# KiCad board Wireless Video Glass.kicad_pcb (continued)
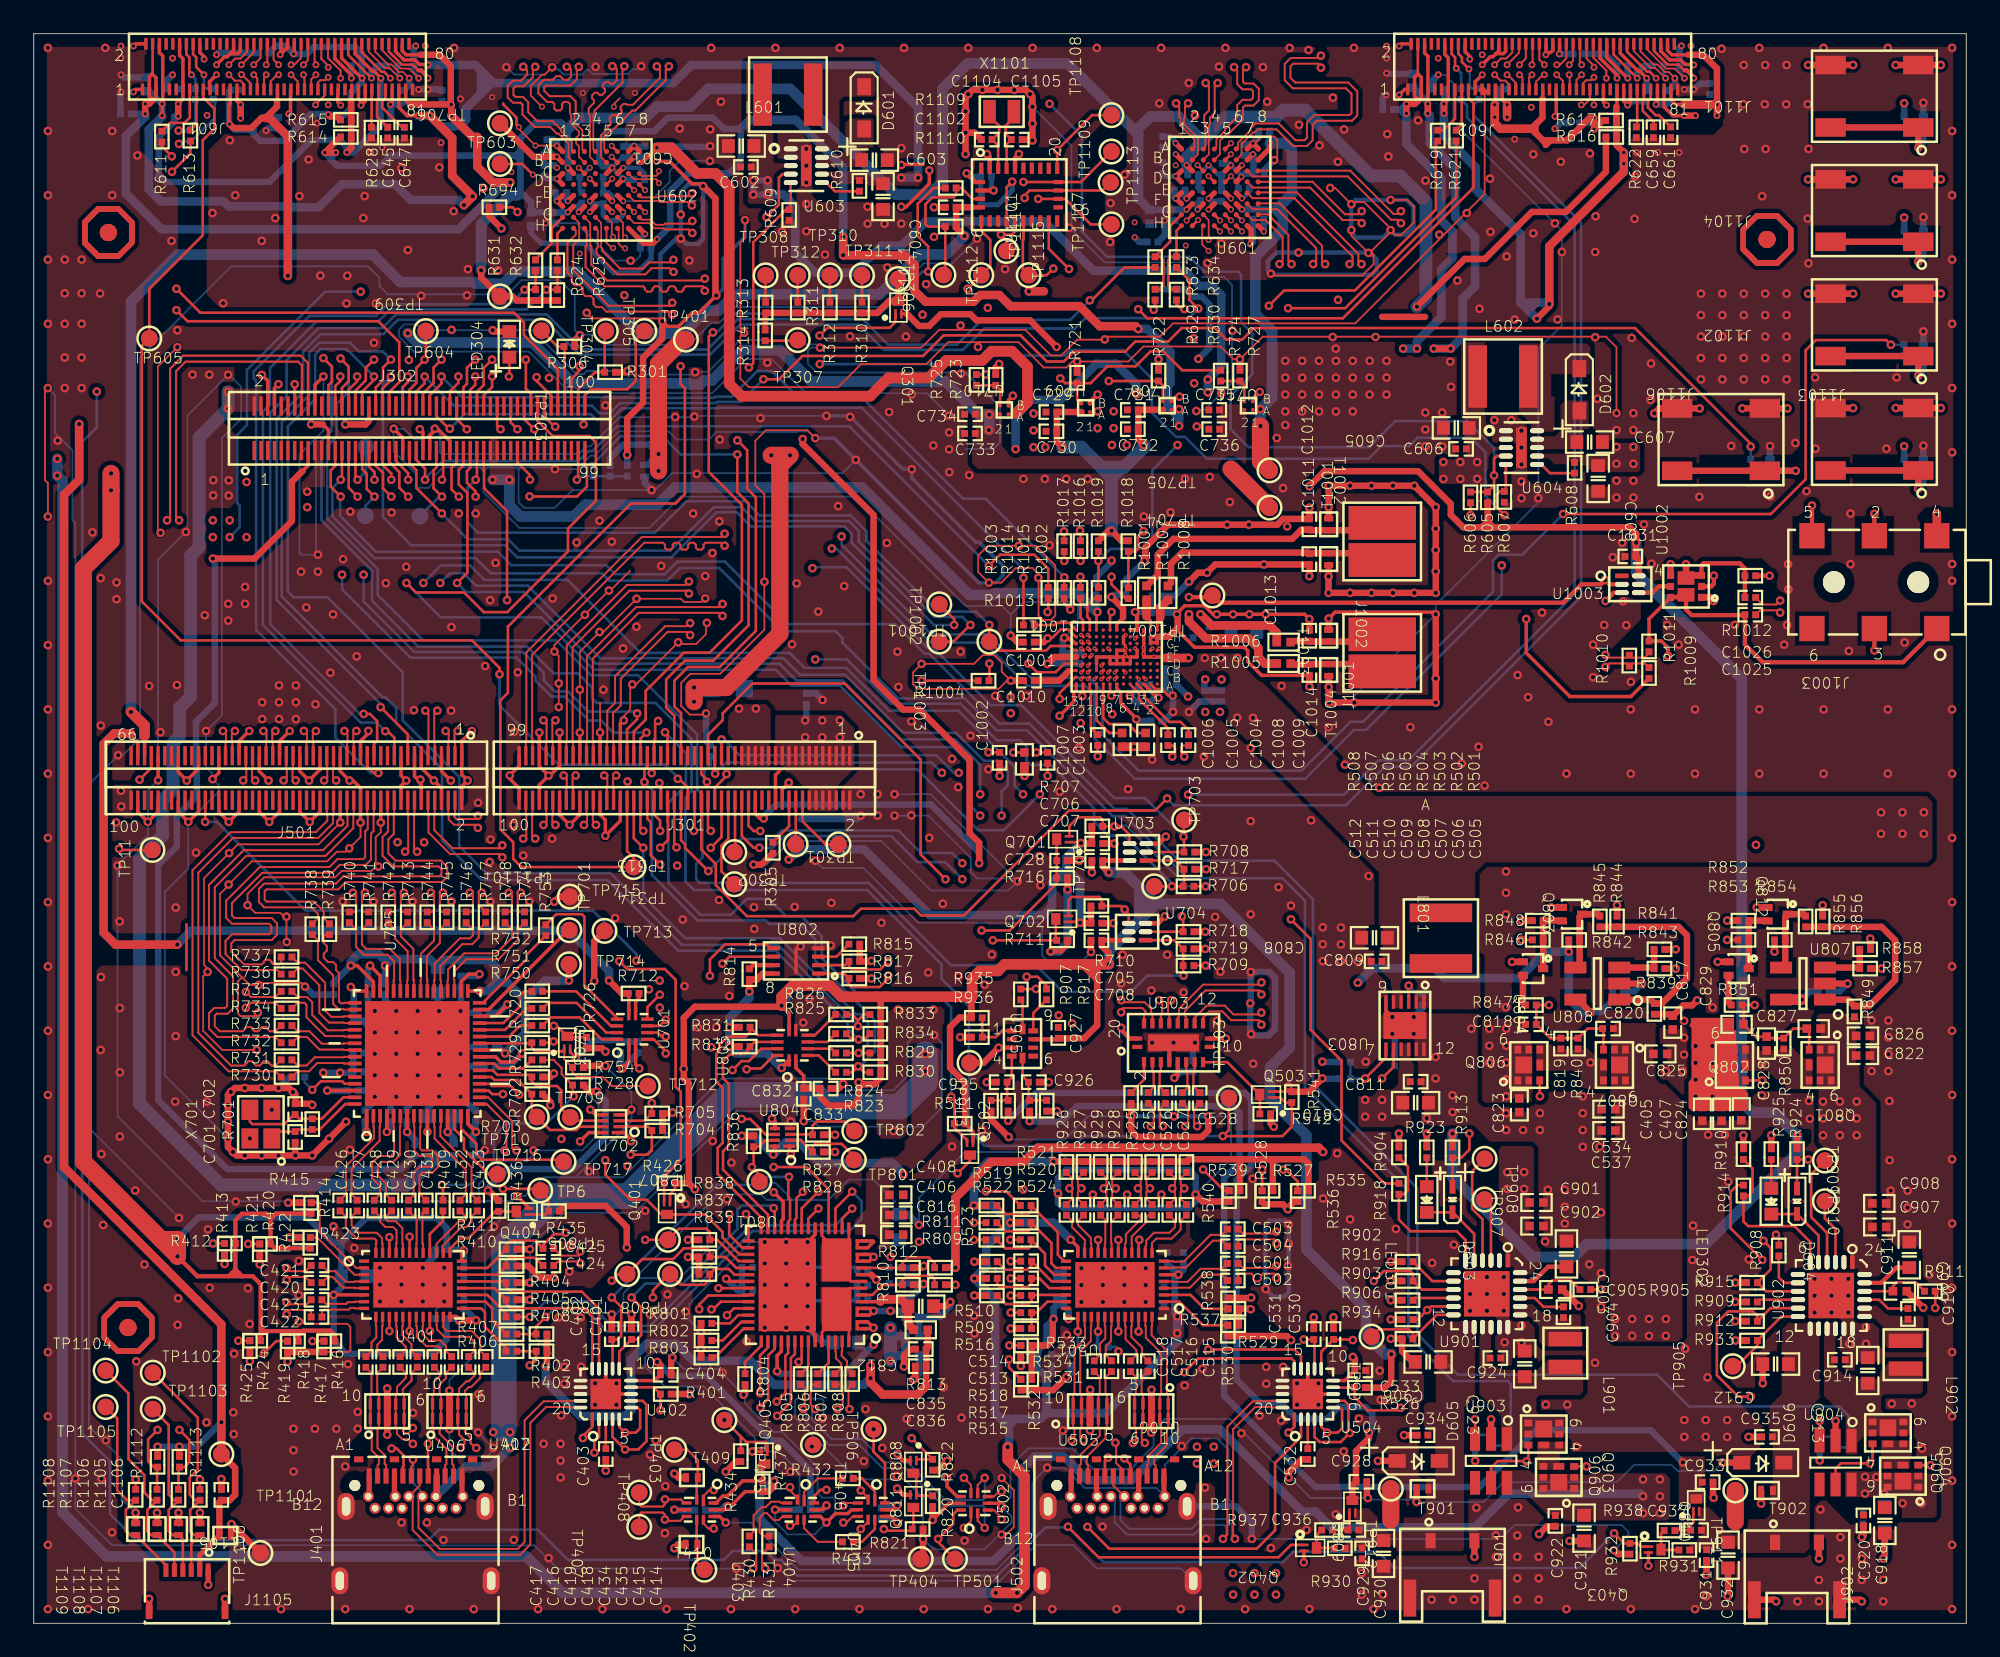
[diagram p0: board, top side]
## Placement (name value [footprint] x y rotation side) (continued)
R529  -  [R0201]  71.1 17.67 180 top
R530  -  [R0201]  70.78 17.35 270 top
R531  -  [R0201]  58.83 14.46 180 top
R532  -  [R0201]  58.51 14.14 270 top
R533  -  [R0201]  58.83 16.47 180 top
R534  -  [R0201]  58.51 16.15 270 top
R535  -  [R0201]  75.24 25.64 180 top
R536  -  [R0201]  74.92 25.32 270 top
R537  -  [R0201]  71.11 18.64 180 top
R538  -  [R0201]  70.79 18.96 90 top
R539  -  [R0201]  71.18 25.64 180 top
R540  -  [R0201]  70.86 25.32 270 top
R541  -  [R0201]  74.57 31.19 90 top
R542  -  [R0201]  73 30.2 180 top
R601  -  [R0402]  29.49 83.24 90 bottom
R602  -  [R0402]  66.14 83.38 90 bottom
R605  -  [R0201]  86.18 66.75 270 top
R606  -  [R0201]  85.17 66.75 270 top
R607  -  [R0201]  87.17 66.78 90 top
R608  -  [R0201]  91.34 68.5 90 top
R609  -  [R0201]  44.78 83.49 90 top
R610  -  [R0201]  48.95 85.22 90 top
R611  -  [R0201]  7.59 88.14 270 top
R612  -  [R0201]  10.65 90.65 270 bottom
R613  -  [R0201]  9.29 88.19 270 top
R614  -  [R0201]  18.5 88.11 180 top
R615  -  [R0201]  18.5 89.13 180 top
R616  -  [R0201]  93.51 88.11 180 top
R617  -  [R0201]  93.5 89.09 180 top
R618  -  [R0201]  84.61 90.65 270 bottom
R619  -  [R0201]  83.22 88.19 270 top
R620  -  [R0201]  85.67 90.65 270 bottom
R621  -  [R0201]  84.32 88.19 270 top
R622  -  [R0201]  95 88.39 90 top
R623  -  [R0201]  9.58 90.65 270 bottom
R624  -  [R0201]  29.74 78.74 270 top
R625  -  [R0201]  31.04 78.74 270 top
R626  -  [R0201]  66.47 78.77 90 bottom
R627  -  [R0201]  67.74 78.77 90 bottom
R628  -  [R0201]  20.02 88.37 90 top
R629  -  [R0201]  66.47 78.77 270 top
R630  -  [R0201]  67.74 78.77 270 top
R631  -  [R0201]  29.74 80.51 270 top
R632  -  [R0201]  31.04 80.51 270 top
R633  -  [R0201]  66.47 80.7 270 top
R634  -  [R0201]  67.74 80.7 270 top
R684  -  [R0201]  71.73 85.06 0 bottom
R694  -  [R0201]  27.3 83.95 180 top
R701  -  [R0201]  16.51 29.59 90 top
R702  -  [R0201]  29.84 32.38 0 top
R703  -  [R0201]  29.84 31.37 0 top
R704  -  [R0201]  36.96 29.21 0 top
R705  -  [R0201]  36.96 30.23 0 top
R706  -  [R0201]  68.45 43.69 180 top
R707  -  [R0201]  63.04 47.24 0 top
R708  -  [R0201]  68.5 45.72 0 top
R709  -  [R0201]  68.45 38.99 180 top
R710  -  [R0201]  62.99 42.52 0 top
R711  -  [R0201]  60.96 40.49 180 top
R712  -  [R0201]  35.56 37.34 180 top
R713  -  [R0201]  15.75 32.38 0 bottom
R714  -  [R0201]  22.61 28.07 270 bottom
R715  -  [R0402]  24.89 28.07 270 bottom
R716  -  [R0201]  60.96 44.2 0 top
R717  -  [R0201]  68.5 44.7 180 top
R718  -  [R0201]  68.45 41 180 top
R719  -  [R0201]  68.45 39.98 180 top
R720  -  [R0201]  29.84 34.42 180 top
R721  -  [R0201]  61.85 73.84 270 top
R722  -  [R0201]  66.67 73.96 270 top
R723  -  [R0201]  57.02 73.71 270 top
R724  -  [R0201]  70.36 73.96 90 top
R725  -  [R0201]  55.88 73.71 90 top
R726  -  [R0201]  32.77 34.42 90 top
R727  -  [R0201]  71.5 73.96 270 top
R728  -  [R0201]  32.26 31.9 0 top
R729  -  [R0201]  29.84 33.4 0 top
R730  -  [R0201]  14.99 32.38 180 top
R731  -  [R0201]  14.99 33.4 180 top
R732  -  [R0201]  14.99 34.42 180 top
R733  -  [R0201]  14.99 35.43 180 top
R734  -  [R0201]  14.99 36.45 180 top
R735  -  [R0201]  14.99 37.46 180 top
R736  -  [R0201]  14.99 38.48 180 top
R737  -  [R0201]  14.99 39.5 180 top
R738  -  [R0201]  16.51 41.15 90 top
R739  -  [R0201]  17.53 41.15 90 top
R740  -  [R0201]  18.71 41.85 90 top
R741  -  [R0201]  19.86 41.85 90 top
R742  -  [R0201]  21.01 41.85 90 top
R743  -  [R0201]  22.17 41.85 90 top
R744  -  [R0201]  23.32 41.85 90 top
R745  -  [R0201]  24.48 41.85 90 top
R746  -  [R0201]  25.63 41.85 90 top
R747  -  [R0201]  26.79 41.85 90 top
R748  -  [R0201]  27.94 41.85 90 top
R749  -  [R0201]  29.09 41.85 90 top
R750  -  [R0201]  29.84 35.43 180 top
R751  -  [R0201]  29.84 36.45 180 top
R752  -  [R0201]  29.84 37.46 180 top
R753  -  [R0201]  30.35 41.09 270 top
R754  -  [R0201]  32.26 32.94 0 top
R801  -  [R0201]  39.88 17.78 0 top
R802  -  [R0201]  39.88 16.76 0 top
R803  -  [R0201]  39.88 15.75 0 top
R804  -  [R0201]  42.16 14.48 90 top
R805  -  [R0201]  45.47 14.48 90 top
R806  -  [R0201]  46.48 14.48 90 top
R807  -  [R0201]  47.5 14.48 90 top
R808  -  [R0201]  48.51 14.48 90 top
R809  -  [R0201]  53.72 20.07 180 top
R810  -  [R0201]  51.82 20.07 180 top
R811  -  [R0201]  53.72 21.08 180 top
R812  -  [R0201]  51.82 21.08 180 top
R813  -  [R0402]  52.58 17.4 180 top
R814  -  [R0201]  42.42 38.48 90 top
R815  -  [R0201]  48.64 40.26 180 top
R816  -  [R0201]  48.64 38.23 180 top
R817  -  [R0201]  48.64 39.24 180 top
R818  -  [R0201]  82.32 36.98 90 bottom
R819  -  [R0201]  80.67 33.38 270 bottom
R820  -  [R0201]  53.28 7.24 90 top
R821  -  [R0201]  52.4 5.59 0 top
R822  -  [R0201]  53.28 9.4 270 top
R823  -  [R0201]  47.85 32.66 180 top
R824  -  [R0201]  47.85 33.81 180 top
R825  -  [R0201]  47.85 34.95 180 top
R826  -  [R0201]  47.85 36.09 180 top
R827  -  [R0201]  46.48 28.96 0 top
R828  -  [R0201]  46.48 27.94 0 top
R829  -  [R0201]  49.89 33.81 0 top
R830  -  [R0201]  49.89 32.66 0 top
R831  -  [R0201]  42.14 35.33 180 top
R832  -  [R0201]  42.14 34.19 180 top
R833  -  [R0201]  49.89 36.09 0 top
R834  -  [R0201]  49.89 34.95 0 top
R835  -  [R0201]  39.75 20.7 180 top
R836  -  [R0201]  42.67 28.58 90 top
R837  -  [R0201]  39.75 21.72 180 top
R838  -  [R0201]  39.75 22.73 180 top
R839  -  [R0201]  96.06 36.42 270 top
R840  -  [R0201]  91.54 34.37 270 top
R841  -  [R0201]  96.37 39.95 0 top
R842  -  [R0201]  91.31 40.51 180 top
R843  -  [R0201]  96.37 38.81 180 top
R844  -  [R0201]  93.85 41.61 270 top
R845  -  [R0201]  92.84 41.61 270 top
R846  -  [R0201]  89.15 40.51 180 top
R847  -  [R0201]  88.75 36.65 0 top
R848  -  [R0201]  89.15 41.66 0 top
R849  -  [R0201]  107.92 36.27 270 top
R850  -  [R0201]  103.73 34.37 270 top
R851  -  [R0201]  100.94 36.65 0 top
R852  -  [R0201]  101.35 41.66 0 top
R853  -  [R0201]  101.35 40.51 180 top
R854  -  [R0201]  103.5 40.51 180 top
R855  -  [R0201]  105.03 41.61 270 top
R856  -  [R0201]  106.05 41.61 270 top
R857  -  [R0201]  108.56 38.81 180 top
R858  -  [R0201]  108.56 39.95 0 top
R859  -  [R0201]  77.72 33.27 0 bottom
R860  R0201  [R0201#2]  77.72 32.28 0 bottom
R902  -  [R0201]  81.43 21.44 0 top
R903  -  [R0201]  81.43 19.15 0 top
R904  -  [R0201]  80.92 27.91 270 top
R905  -  [R0201]  91.97 19.79 180 top
R906  -  [R0201]  81.43 18.01 180 top
R907  -  [R0201]  58.51 37.28 90 top
R908  -  [R0201]  103.44 22.1 270 top
R909  -  [R0201]  101.85 19.05 0 top
R910  -  [R0201]  101.35 27.81 270 top
R911  -  [R0201]  112.39 19.69 180 top
R912  -  [R0201]  101.85 17.91 180 top
R913  -  [R0201]  84.1 27.91 270 top
R914  -  [R0201]  101.35 25.65 270 top
R915  -  [R0201]  101.85 20.19 0 top
R916  -  [R0201]  81.43 20.29 0 top
R917  -  [R0201]  60.04 37.28 90 top
R918  -  [R0201]  80.92 25.76 270 top
R919  -  [R0201]  85.45 10.85 90 bottom
R920  -  [R0201]  86.46 10.85 90 bottom
R921  -  [R0201]  105.87 10.74 90 bottom
R922  -  [R0201]  106.88 10.74 90 bottom
R923  -  [R0201]  82.58 27.91 270 top
R924  -  [R0201]  104.52 27.81 270 top
R925  -  [R0201]  103 27.81 270 top
R926  -  [R0201]  56.74 30.68 270 top
R927  -  [R0201]  57.76 30.68 90 top
R928  -  [R0201]  60.05 30.68 270 top
R929  -  [R0201]  59.03 30.68 90 top
R930  -  [R0201]  77.42 4.44 180 top
R931  -  [R0201]  97.84 4.34 180 top
R932  -  [R0201]  94.61 4.42 270 top
R933  -  [R0201]  101.85 16.76 0 top
R934  -  [R0201]  81.43 16.87 0 top
R935  -  [R0201]  55.91 35.89 0 top
R936  -  [R0201]  55.91 34.75 0 top
R937  -  [R0201]  76.67 5.53 180 top
R938  -  [R0201]  96.97 5.5 180 top
R1001  -  [R0201]  64.89 61.07 270 top
R1002  -  [R0201]  63.12 61.09 270 top
R1003  -  [R0201]  60.14 61.09 270 top
R1004  -  [R0201]  56.3 55.88 0 top
R1005  -  [R0402]  74.09 56.9 180 top
R1006  -  [R0402]  74.09 58.17 180 top
R1007  -  [R0402]  65.96 61.09 270 top
R1008  -  [R0402]  67.23 61.09 270 top
R1009  -  [R0201]  95.75 56.34 270 top
R1010  -  [R0201]  94.58 57.07 270 top
R1011  -  [R0201]  95.75 57.91 270 top
R1012  -  [R0201]  101.75 62.1 0 top
R1013  -  [R0201]  58.99 59.18 180 top
R1014  -  [R0201]  61.08 61.09 90 top
R1015  -  [R0201]  62.05 61.09 90 top
R1016  -  [R0201]  62.05 63.86 90 top
R1017  -  [R0201]  61.08 63.86 90 top
R1018  -  [R0201]  64.89 63.86 270 top
R1019  -  [R0201]  63.12 63.86 270 top
R1101  -  [R0201]  110.87 89 270 bottom
R1102  -  [R0201]  110.87 75.48 270 bottom
R1103  -  [R0201]  110.87 68.67 270 bottom
R1104  -  [R0201]  110.87 82.22 270 bottom
R1105  -  [R0201]  9.85 7.61 90 top
R1106  -  [R0201]  8.58 7.61 90 top
R1107  -  [R0201]  7.31 7.61 90 top
R1108  -  [R0201]  6.04 7.61 90 top
R1109  -  [R0201]  54.36 85.09 180 top
R1110  -  [R0201]  54.36 82.8 0 top
R1111  -  [R0201]  101.78 68.67 270 bottom
R1112  -  [R0201]  7.34 9.58 270 top
R1113  -  [R0201]  8.64 9.58 270 top
T409  -  [DFN1006-2]  39.01 8.64 0 top
T410  -  [DFN1006-2]  38.99 4.67 0 top
T411  -  [DFN1006-2]  36.22 68.33 90 bottom
T901  -  [DFN1006-2]  82.32 7.98 0 top
T902  -  [DFN1006-2]  102.74 7.87 0 top
T1001  -  [DFN1006-2]  76.76 63.09 90 top
T1002  -  [DFN1006-2]  76.76 65.15 270 top
T1003  -  [DFN1006-2]  76.76 58.55 270 top
T1004  -  [DFN1006-2]  76.76 56.52 90 top
T1101  -  [DFN1006-2]  112.01 89 270 bottom
T1102  -  [DFN1006-2]  112.01 75.45 270 bottom
T1103  -  [DFN1006-2]  112.01 68.67 270 bottom
T1104  -  [DFN1006-2]  112.01 82.22 270 bottom
T1105  -  [DFN1006-2]  11.35 5.21 180 top
T1106  -  [DFN1006-2]  9.85 5.58 270 top
T1107  -  [DFN1006-2]  8.58 5.58 270 top
T1108  -  [DFN1006-2]  7.31 5.58 270 top
T1109  -  [DFN1006-2]  6.04 5.58 270 top
T1110  -  [DFN1006-2]  102.92 68.67 270 bottom
TP6  -  [TP-D1R0]  30.02 25.65 0 top
TP11  -  [TP-D1R0]  7.04 45.85 90 top
TP301  -  [TP-D1R0]  47.7 46.18 180 top
TP302  -  [TP-D1R0]  45.16 46.18 180 top
TP303  -  [TP-D1R0]  30.1 76.63 270 top
TP304  -  [TP-D1R0]  33.91 76.61 270 top
TP305  -  [TP-D1R0]  36.19 76.61 270 top
TP306  -  [TP-D1R0]  51.23 79.69 270 top
TP307  -  [TP-D1R0]  45.29 76.07 0 top
TP308  -  [TP-D1R0]  43.38 79.91 0 top
TP309  -  [TP-D1R0]  27.64 78.66 180 top
TP310  -  [TP-D1R0]  47.19 79.91 0 top
TP311  -  [TP-D1R0]  49.1 79.91 0 top
TP312  -  [TP-D1R0]  45.29 79.91 0 top
TP313  -  [TP-D1R0]  41.53 45.72 180 top
TP314  -  [TP-D1R0]  41.53 43.81 180 top
TP401  -  [TP-D1R0]  38.66 76.1 0 top
TP402  -  [TP-D1R0]  39.75 3.17 270 top
TP403  -  [TP-D1R0]  37.97 10.29 270 top
TP404  -  [TP-D1R0]  52.58 3.81 0 top
TP405  -  [TP-D1R0]  40.94 12.04 270 top
TP406  -  [TP-D1R0]  46.19 10.58 270 top
TP407  -  [TP-D1R0]  35.89 5.72 270 top
TP408  -  [TP-D1R0]  35.89 7.75 270 top
TP501  -  [TP-D1R0]  54.61 3.81 0 top
TP503  -  [TP-D1R0]  70.84 31.14 90 top
TP506  -  [TP-D1R0]  49.78 11.51 270 top
TP601  -  [TP-D1R0]  19.66 65.66 0 bottom
TP602  -  [TP-D1R0]  22.89 65.63 0 bottom
TP603  -  [TP-D1R0]  27.64 86.51 0 top
TP604  -  [TP-D1R0]  23.24 76.61 0 top
TP605  -  [TP-D1R0]  6.85 76.17 0 top
TP606  -  [TP-D1R0]  19.68 69.75 0 bottom
TP701  -  [TP-D1R0]  31.75 41.09 90 top
TP702  -  [TP-D1R0]  66.42 43.69 90 top
TP703  -  [TP-D1R0]  68.2 47.62 90 top
TP704  -  [TP-D1R0]  73.25 66.14 180 top
TP705  -  [TP-D1R0]  73.25 68.35 180 top
TP706  -  [TP-D1R0]  27.64 88.93 180 top
TP709  -  [TP-D1R0]  31.8 29.99 0 top
TP710  -  [TP-D1R0]  29.82 30.02 0 top
TP712  -  [TP-D1R0]  36.4 31.85 0 top
TP713  -  [TP-D1R0]  33.83 41.05 0 top
TP714  -  [TP-D1R0]  31.72 39.07 0 top
TP715  -  [TP-D1R0]  31.78 43.08 0 top
TP716  -  [TP-D1R0]  27.48 26.62 0 top
TP717  -  [TP-D1R0]  31.4 27.36 0 top
TP801  -  [TP-D1R0]  48.62 27.47 0 top
TP802  -  [TP-D1R0]  48.64 29.18 0 top
TP805  -  [TP-D1R0]  37.59 22.73 180 top
TP806  -  [TP-D1R0]  35.18 20.7 180 top
TP807  -  [TP-D1R0]  43.01 26.18 180 top
TP808  -  [TP-D1R0]  37.72 20.7 180 top
TP905  -  [TP-D1R0]  100.71 15.24 90 top
TP906  -  [TP-D1R0]  79.3 16.99 270 top
TP907  -  [TP-D1R0]  86 25.12 270 top
TP908  -  [TP-D1R0]  86 27.53 270 top
TP909  -  [TP-D1R0]  106.17 27.43 270 top
TP910  -  [TP-D1R0]  106.17 25.02 270 top
TP911  -  [TP-D2R0]  100.86 7.87 270 top
TP912  -  [TP-D2R0]  80.44 7.98 270 top
TP913  -  [TP-D2R0]  55.47 33.22 270 top
TP1001  -  [TP-D1R0]  56.65 58.2 180 top
TP1002  -  [TP-D1R0]  53.68 60.41 270 top
TP1003  -  [TP-D1R0]  53.68 58.2 270 top
TP1004  -  [TP-D1R0]  69.87 60.93 180 top
TP1101  -  [TP-D1R0]  11.12 10.03 0 top
TP1102  -  [TP-D1R0]  7.06 14.85 0 top
TP1103  -  [TP-D1R0]  7.06 12.69 0 top
TP1104  -  [TP-D1R0]  4.26 14.98 0 top
TP1105  -  [TP-D1R0]  4.26 12.82 0 top
TP1106  -  [TP-D1R0]  13.44 4.17 90 top
TP1107  -  [TP-D1R0]  63.88 82.93 90 top
TP1108  -  [TP-D1R0]  63.88 89.41 90 top
TP1109  -  [TP-D1R0]  63.88 87.25 90 top
TP1110  -  [TP-D1R0]  35.56 44.83 180 top
TP1111  -  [TP-D1R0]  53.92 79.93 90 top
TP1112  -  [TP-D1R0]  56.17 79.92 90 top
TP1113  -  [TP-D1R0]  63.83 85.42 90 top
TP1114  -  [TP-D1R0]  57.65 81.36 90 top
TP1115  -  [TP-D1R0]  58.98 79.92 90 top
U401  -  [TUSB564_WQFN40]  22.48 20.07 0 top
U402  -  [TPD6S300_WQFN]  33.91 13.59 0 top
U403  -  [TS3USB30E_UQFN]  39.5 6.73 270 top
U404  -  [TS3USB30E_UQFN]  45.47 6.73 270 top
U405  -  [TS3USB30E_UQFN]  49.66 6.73 270 top
U406  -  [RCLAMP0524P]  20.95 12.57 0 top
U407  -  [RCLAMP0524P]  24.64 12.57 0 top
U501  -  [TUSB564_WQFN40]  64.09 20.07 180 top
U502  -  [TS3USB30E_UQFN]  55.75 7.11 90 top
U503  -  [TMUXHS4212_VQFN]  67.56 34.42 90 top
U504  -  [TPD6S300_WQFN]  75.52 13.59 0 top
U505  -  [RCLAMP0524P]  62.61 12.57 0 top
U506  -  [RCLAMP0524P]  66.25 12.57 180 top
U601  -  [TC358775XBG-BGA64]  70.3 85.13 0 top
U602  -  [TC358775XBG-BGA64]  33.63 84.98 0 top
U603  -  [LT3495_DFN]  45.8 86.41 270 top
U604  -  [LT3495_DFN]  88.19 69.7 270 top
U701  -  [SGM4563_UTQFN]  35.48 35.22 90 top
U702  -  [SGM4553_XTDFN_8L]  34.21 29.62 90 top
U703  -  [SON6_1R45_1MM]  65.46 45.72 90 top
U704  -  [SON6_1R45_1MM]  65.4 41 90 top
U705  -  [LT7911D_QFN64]  22.73 33.78 90 top
U708  -  [WLCSP-0R90R9-4B]  67.18 72.19 180 top
U709  -  [WLCSP-0R90R9-4B]  62.36 72.06 180 top
U710  -  [WLCSP-0R90R9-4B]  57.53 71.93 180 top
U711  -  [WLCSP-0R90R9-4B]  72.01 72.19 180 top
U801  -  [TPS65988DJ_QFN56]  45.72 20.07 180 top
U802  -  [WSON_8_3X2]  45.19 39.27 90 top
U803  -  [DFN3X3-12]  81.28 35.43 180 top
U804  -  [SGM4553_XTDFN_8L]  44.38 28.81 90 top
U805  -  [SGM4563_UTQFN]  44.97 34.26 90 top
U807  -  [SOT553-5]  104.88 37.92 90 top
U808  -  [SOT553-5]  92.68 37.92 90 top
U901  -  [BQ25616_WQFN24]  86.13 19.53 270 top
U902  -  [BQ25616_WQFN24]  106.55 19.43 270 top
U903  -  [TSOT-23-6]  86.39 9.63 180 top
U904  -  [TSOT-23-6]  106.81 9.53 180 top
U905  -  [TLA2021_X2QFN]  58.61 34.37 270 top
U1001  -  [WM8998_WCSP_117BALL]  64.2 57.28 180 top
U1002  -  [FDMA1024NZ]  97.94 61.47 90 top
U1003  -  [SON6_1R45_1MM]  94.64 61.59 270 top
U1101  -  [BNO08X_LGA_28P]  58.42 84.69 90 top
X701  -  [CRY2520]  13.46 29.59 90 top
X1101  -  [CRY2012]  57.38 89.61 0 top

## Footprints (pads in the part's own frame, mm; a bottom-side part is the same pattern mirrored in y, then rotated)
BM02B-ADHSS_2P
  rect 0.9x0.6 smd: 1(2,1.3) 2(2,-1.3)
  rect 2.2x0.75 smd: 3(-1.4,-2.525) 4(-1.4,2.525)
BNO08X_LGA_28P
  rect 0.675x0.25 smd: 1(1.563,2.25) 6(-1.563,2.25) 7(-1.563,1.75) 8(-1.563,1.25) 9(-1.563,0.75) 10(-1.563,0.25) 11(-1.563,-0.25) 12(-1.563,-0.75) 13(-1.563,-1.25) 14(-1.563,-1.75) 15(-1.563,-2.25) 20(1.563,-2.25) 21(1.563,-1.75) 22(1.563,-1.25) 23(1.563,-0.75) 24(1.563,-0.25) 25(1.563,0.25) 26(1.563,0.75) 27(1.563,1.25) 28(1.563,1.75)
  rect 0.25x0.575 smd: 2(0.75,2.312) 3(0.25,2.312) 4(-0.25,2.312) 5(-0.75,2.312) 16(-0.75,-2.312) 17(-0.25,-2.312) 18(0.25,-2.312) 19(0.75,-2.312)
BQ25616_WQFN24
  rect 0.813x0.279 smd: 1(-1.975,1.25)
  oval 0.85x0.28 hole 0.85x0.28: 2(-1.975,0.75) 3(-1.975,0.25) 4(-1.975,-0.25) 5(-1.975,-0.75) 6(-1.975,-1.25) 13(1.975,-1.25) 14(1.975,-0.75) 15(1.975,-0.25) 16(1.975,0.25) 17(1.975,0.75) 18(1.975,1.25)
  oval 0.28x0.85 hole 0.28x0.85: 7(-1.25,-1.975) 8(-0.75,-1.975) 9(-0.25,-1.975) 10(0.25,-1.975) 11(0.75,-1.975) 12(1.25,-1.975) 19(1.25,1.975) 20(0.75,1.975) 21(0.25,1.975) 22(-0.25,1.975) 23(-0.75,1.975) 24(-1.25,1.975)
  rect 2.7x2.7 smd: 25(0,0)
C0201
  rect 0.406x0.406 smd: 1(-0.32,0) 2(0.32,0)
C0201#2
  rect 0.406x0.406 smd: 1(0.32,0) 2(-0.32,0)
C0402
  rect 0.508x0.508 smd: 1(-0.41,0) 2(0.41,0)
C0603
  rect 0.762x0.813 smd: 1(-0.76,0) 2(0.76,0)
C0603#2
  rect 0.762x0.813 smd: 1(0.76,0) 2(-0.76,0)
CRY2012
  rect 0.75x1.4 smd: 1(-0.725,0) 2(0.725,0)
CRY2520
  rect 1.2x1 smd: 1(-0.85,-0.65) 2(0.85,-0.65) 3(0.85,0.65) 4(-0.85,0.65)
DF40C-100DS
  rect 0.2x1.14 smd: 1(-9.8,-1.32) 2(-9.8,1.32) 3(-9.4,-1.32) 4(-9.4,1.32) 5(-9,-1.32) 6(-9,1.32) 7(-8.6,-1.32) 8(-8.6,1.32) 9(-8.2,-1.32) 10(-8.2,1.32) 11(-7.8,-1.32) 12(-7.8,1.32) 13(-7.4,-1.32) 14(-7.4,1.32) 15(-7,-1.32) 16(-7,1.32) 17(-6.6,-1.32) 18(-6.6,1.32) 19(-6.2,-1.32) 20(-6.2,1.32) 21(-5.8,-1.32) 22(-5.8,1.32) 23(-5.4,-1.32) 24(-5.4,1.32) 25(-5,-1.32) 26(-5,1.32) 27(-4.6,-1.32) 28(-4.6,1.32) 29(-4.2,-1.32) 30(-4.2,1.32) 31(-3.8,-1.32) 32(-3.8,1.32) 33(-3.4,-1.32) 34(-3.4,1.32) 35(-3,-1.32) 36(-3,1.32) 37(-2.6,-1.32) 38(-2.6,1.32) 39(-2.2,-1.32) 40(-2.2,1.32) 41(-1.8,-1.32) 42(-1.8,1.32) 43(-1.4,-1.32) 44(-1.4,1.32) 45(-1,-1.32) 46(-1,1.32) 47(-0.6,-1.32) 48(-0.6,1.32) 49(-0.2,-1.32) 50(-0.2,1.32) 51(0.2,-1.32) 52(0.2,1.32) 53(0.6,-1.32) 54(0.6,1.32) 55(1,-1.32) 56(1,1.32) 57(1.4,-1.32) 58(1.4,1.32) 59(1.8,-1.32) 60(1.8,1.32) 61(2.2,-1.32) 62(2.2,1.32) 63(2.6,-1.32) 64(2.6,1.32) 65(3,-1.32) 66(3,1.32) 67(3.4,-1.32) 68(3.4,1.32) 69(3.8,-1.32) 70(3.8,1.32) 71(4.2,-1.32) 72(4.2,1.32) 73(4.6,-1.32) 74(4.6,1.32) 75(5,-1.32) 76(5,1.32) 77(5.4,-1.32) 78(5.4,1.32) 79(5.8,-1.32) 80(5.8,1.32) 81(6.2,-1.32) 82(6.2,1.32) 83(6.6,-1.32) 84(6.6,1.32) 85(7,-1.32) 86(7,1.32) 87(7.4,-1.32) 88(7.4,1.32) 89(7.8,-1.32) 90(7.8,1.32) 91(8.2,-1.32) 92(8.2,1.32) 93(8.6,-1.32) 94(8.6,1.32) 95(9,-1.32) 96(9,1.32) 97(9.4,-1.32) 98(9.4,1.32) 99(9.8,-1.32) 100(9.8,1.32)
DFN3X3-12
  rect 0.2x0.8 smd: 1(-1.125,-1.4) 2(-0.675,-1.4) 3(-0.225,-1.4) 4(0.225,-1.4) 5(0.675,-1.4) 6(1.125,-1.4) 7(1.125,1.4) 8(0.675,1.4) 9(0.225,1.4) 10(-0.225,1.4) 11(-0.675,1.4) 12(-1.125,1.4)
  rect 2.55x1.6 smd: 13(0,0)
DFN1006-2
  rect 0.35x0.55 smd: 1(-0.35,0) 2(0.35,0)
DFN1006-3L
  rect 0.55x0.15 smd: 1(0.375,-0.175) 2(0.375,0.175)
  rect 0.55x0.7 smd: 3(-0.375,0)
FDMA908PZ
  rect 0.4x0.475 smd: 1(-0.65,-0.913) 2(0,-0.913) 3(0.65,-0.913) 4(0.65,0.913) 5(0,0.913) 6(-0.65,0.913)
  rect 0.4x0.66 smd: 7(0.65,0)
  rect 1x1 smd: 8(-0.3,0)
FDMA1024NZ
  rect 0.42x0.42 smd: 1(-0.65,-0.915) 2(0,-0.915) 3(0.65,-0.915) 4(0.65,0.915) 5(0,0.915) 6(-0.65,0.915)
  rect 0.8x1 smd: 7(-0.5,0) 8(0.5,0)
FF0881SA1-R3000
  rect 0.2x0.7 smd: 1(8,1.35) 2(7.8,-1.35) 3(7.6,1.35) 4(7.4,-1.35) 5(7.2,1.35) 6(7,-1.35) 7(6.8,1.35) 8(6.6,-1.35) 9(6.4,1.35) 10(6.2,-1.35) 11(6,1.35) 12(5.8,-1.35) 13(5.6,1.35) 14(5.4,-1.35) 15(5.2,1.35) 16(5,-1.35) 17(4.8,1.35) 18(4.6,-1.35) 19(4.4,1.35) 20(4.2,-1.35) 21(4,1.35) 22(3.8,-1.35) 23(3.6,1.35) 24(3.4,-1.35) 25(3.2,1.35) 26(3,-1.35) 27(2.8,1.35) 28(2.6,-1.35) 29(2.4,1.35) 30(2.2,-1.35) 31(2,1.35) 32(1.8,-1.35) 33(1.6,1.35) 34(1.4,-1.35) 35(1.2,1.35) 36(1,-1.35) 37(0.8,1.35) 38(0.6,-1.35) 39(0.4,1.35) 40(0.2,-1.35) 41(0,1.35) 42(-0.2,-1.35) 43(-0.4,1.35) 44(-0.6,-1.35) 45(-0.8,1.35) 46(-1,-1.35) 47(-1.2,1.35) 48(-1.4,-1.35) 49(-1.6,1.35) 50(-1.8,-1.35) 51(-2,1.35) 52(-2.2,-1.35) 53(-2.4,1.35) 54(-2.6,-1.35) 55(-2.8,1.35) 56(-3,-1.35) 57(-3.2,1.35) 58(-3.4,-1.35) 59(-3.6,1.35) 60(-3.8,-1.35) 61(-4,1.35) 62(-4.2,-1.35) 63(-4.4,1.35) 64(-4.6,-1.35) 65(-4.8,1.35) 66(-5,-1.35) 67(-5.2,1.35) 68(-5.4,-1.35) 69(-5.6,1.35) 70(-5.8,-1.35) 71(-6,1.35) 72(-6.2,-1.35) 73(-6.4,1.35) 74(-6.6,-1.35) 75(-6.8,1.35) 76(-7,-1.35) 77(-7.2,1.35) 78(-7.4,-1.35) 79(-7.6,1.35) 80(-7.8,-1.35) 81(-8,1.35)
FH34SRJ-6S-0R5SH
  rect 0.3x0.8 smd: 1(1.25,1.25) 2(0.75,1.25) 3(0.25,1.25) 4(-0.25,1.25) 5(-0.75,1.25) 6(-1.25,1.25)
  rect 0.4x0.8 smd: 7(2.25,-1.25) 8(-2.25,-1.25)
K2-1187UQ
  rect 1.8x1.1 smd: 1(-2.6,1.85) 2(2.6,1.85) 3(-2.6,-1.85) 4(2.6,-1.85)
L2520
  rect 0.85x2 smd: 1(-0.825,0) 2(0.825,0)
L4020
  rect 1.1x3.7 smd: 1(-1.5,0) 2(1.5,0)
LED_0603
  rect 0.762x0.813 smd: 1(-0.76,0) 2(0.76,0)
LT3495_DFN
  oval 0.279x0.813 hole 0.279x0.813: 1(-1,-0.925) 2(-0.5,-0.925) 3(0,-0.925) 4(0.5,-0.925) 5(1,-0.925) 6(1,0.925) 7(0.5,0.925) 8(0,0.925) 9(-0.5,0.925) 10(-1,0.925)
  rect 2.388x0.635 smd: 11(0,0)
LT7911D_QFN64
  rect 0.8x0.22 smd: 1(-3.7,3) 2(-3.7,2.6) 3(-3.7,2.2) 4(-3.7,1.8) 5(-3.7,1.4) 6(-3.7,1) 7(-3.7,0.6) 8(-3.7,0.2) 9(-3.7,-0.2) 10(-3.7,-0.6) 11(-3.7,-1) 12(-3.7,-1.4) 13(-3.7,-1.8) 14(-3.7,-2.2) 15(-3.7,-2.6) 16(-3.7,-3) 33(3.7,-3) 34(3.7,-2.6) 35(3.7,-2.2) 36(3.7,-1.8) 37(3.7,-1.4) 38(3.7,-1) 39(3.7,-0.6) 40(3.7,-0.2) 41(3.7,0.2) 42(3.7,0.6) 43(3.7,1) 44(3.7,1.4) 45(3.7,1.8) 46(3.7,2.2) 47(3.7,2.6) 48(3.7,3)
  rect 0.22x0.8 smd: 17(-3,-3.7) 18(-2.6,-3.7) 19(-2.2,-3.7) 20(-1.8,-3.7) 21(-1.4,-3.7) 22(-1,-3.7) 23(-0.6,-3.7) 24(-0.2,-3.7) 25(0.2,-3.7) 26(0.6,-3.7) 27(1,-3.7) 28(1.4,-3.7) 29(1.8,-3.7) 30(2.2,-3.7) 31(2.6,-3.7) 32(3,-3.7) 49(3,3.7) 50(2.6,3.7) 51(2.2,3.7) 52(1.8,3.7) 53(1.4,3.7) 54(1,3.7) 55(0.6,3.7) 56(0.2,3.7) 57(-0.2,3.7) 58(-0.6,3.7) 59(-1,3.7) 60(-1.4,3.7) 61(-1.8,3.7) 62(-2.2,3.7) 63(-2.6,3.7) 64(-3,3.7)
  rect 6.2x6.2 smd: 65(0,0)
MARK1R0
  round 1 smd: 1(0,0) 1(1.168,-64.922) 1(98.323,-0.406)
MARK1R0#2
  round 1 smd: 1(-98.323,0.406) 1(-97.155,-64.516) 1(0,0)
MARK1R0#3
  round 1 smd: 1(-1.168,64.922) 1(0,0) 1(97.155,64.516)
MARK1R0#4
  round 1 smd far side: 1(0,0) 1(1.168,64.922) 1(98.323,0.406)
MARK1R0#5
  round 1 smd far side: 1(-1.168,-64.922) 1(0,0) 1(97.155,-64.516)
MARK1R0#6
  round 1 smd far side: 1(-98.323,-0.406) 1(-97.155,64.516) 1(0,0)
PAD_2P_4020
  rect 2x4 smd: 1(-1.1,0) 2(1.1,0)
PJ-237-A
  round 1.3 hole 1.3 unplated: (-1.7,0) (3.3,0)
  rect 1.5x1.5 smd: 1(-2.8,2.75) 2(0.9,-2.75) 3(0.9,2.75) 4(-2.8,-2.75) 5(4.6,-2.75) 6(4.6,2.75)
R0201
  rect 0.406x0.406 smd: 1(-0.32,0) 2(0.32,0)
R0201#2
  rect 0.406x0.406 smd: 1(0.32,0) 2(-0.32,0)
R0402
  rect 0.508x0.508 smd: 1(-0.41,0) 2(0.41,0)
R0805
  rect 1.02x1.02 smd: 1(-1,0) 2(1,0)
RCLAMP0524P
  rect 0.2x0.675 smd: 1(-1,-0.437) 2(-0.5,-0.437) 4(0.5,-0.437) 5(1,-0.437) 6(1,0.437) 7(0.5,0.437) 9(-0.5,0.437) 10(-1,0.437)
  rect 0.4x0.675 smd: 3(0,-0.437) 8(0,0.437)
SGM4553_XTDFN_8L
  rect 0.2x0.7 smd: 1(-0.525,-0.4)
  rect 0.2x0.6 smd: 2(-0.175,-0.45) 3(0.175,-0.45) 4(0.525,-0.45) 5(0.525,0.45) 6(0.175,0.45) 7(-0.175,0.45) 8(-0.525,0.45)
SGM4563_UTQFN
  rect 0.74x0.2 smd: 1(-0.9,0.2) 2(-0.9,-0.2) 7(0.9,-0.2) 8(0.9,0.2)
  rect 0.2x0.74 smd: 3(-0.6,-0.9) 4(-0.2,-0.9) 5(0.2,-0.9) 6(0.6,-0.9) 9(0.6,0.9) 10(0.2,0.9) 11(-0.2,0.9) 12(-0.6,0.9)
SOD323
  rect 1.016x0.813 smd: 1(1.25,0) 2(-1.25,0)
SOD523
  rect 0.813x0.356 smd: 1(-0.75,0) 2(0.75,0)
SON6_1R45_1MM
  rect 0.28x0.8 smd: 1(-0.5,-0.5)
  oval 0.28x0.8 hole 0.28x0.8: 2(0,-0.5) 3(0.5,-0.5) 4(0.5,0.5) 5(0,0.5) 6(-0.5,0.5)
SOT553-5
  rect 0.7x1.3 smd: 1(-0.95,-1.3) 2(0,-1.3) 3(0.95,-1.3) 4(0.95,1.3) 5(-0.95,1.3)
SOT_723
  rect 0.42x0.6 smd: 1(0,0.6) 2(-0.4,-0.6) 3(0.4,-0.6)
TC358775XBG-BGA64
  round 0.3 smd: A1(-2.275,2.275) A2(-1.625,2.275) A3(-0.975,2.275) A4(-0.325,2.275) A5(0.325,2.275) A6(0.975,2.275) A7(1.625,2.275) A8(2.275,2.275) B1(-2.275,1.625) B2(-1.625,1.625) B3(-0.975,1.625) B4(-0.325,1.625) B5(0.325,1.625) B6(0.975,1.625) B7(1.625,1.625) B8(2.275,1.625) C1(-2.275,0.975) C2(-1.625,0.975) C3(-0.975,0.975) C4(-0.325,0.975) C5(0.325,0.975) C6(0.975,0.975) C7(1.625,0.975) C8(2.275,0.975) D1(-2.275,0.325) D2(-1.625,0.325) D3(-0.975,0.325) D4(-0.325,0.325) D5(0.325,0.325) D6(0.975,0.325) D7(1.625,0.325) D8(2.275,0.325) E1(-2.275,-0.325) E2(-1.625,-0.325) E3(-0.975,-0.325) E4(-0.325,-0.325) E5(0.325,-0.325) E6(0.975,-0.325) E7(1.625,-0.325) E8(2.275,-0.325) F1(-2.275,-0.975) F2(-1.625,-0.975) F3(-0.975,-0.975) F4(-0.325,-0.975) F5(0.325,-0.975) F6(0.975,-0.975) F7(1.625,-0.975) F8(2.275,-0.975) G1(-2.275,-1.625) G2(-1.625,-1.625) G3(-0.975,-1.625) G4(-0.325,-1.625) G5(0.325,-1.625) G6(0.975,-1.625) G7(1.625,-1.625) G8(2.275,-1.625) H1(-2.275,-2.275) H2(-1.625,-2.275) H3(-0.975,-2.275) H4(-0.325,-2.275) H5(0.325,-2.275) H6(0.975,-2.275) H7(1.625,-2.275) H8(2.275,-2.275)
TLA2021_X2QFN
  rect 0.3x0.58 smd: 1(-0.75,-0.635) 4(0.75,-0.635) 6(0.75,0.635) 9(-0.75,0.635)
  rect 0.25x0.58 smd: 2(-0.25,-0.635) 3(0.25,-0.635) 7(0.25,0.635) 8(-0.25,0.635)
  rect 0.63x0.35 smd: 5(0.86,0) 10(-0.86,0)
TMUXHS4212_VQFN
  rect 0.25x0.6 smd: 1(-0.25,2.15) 10(-0.25,-2.15) 11(0.25,-2.15) 20(0.25,2.15)
  rect 0.6x0.25 smd: 2(-1.15,1.75) 3(-1.15,1.25) 4(-1.15,0.75) 5(-1.15,0.25) 6(-1.15,-0.25) 7(-1.15,-0.75) 8(-1.15,-1.25) 9(-1.15,-1.75) 12(1.15,-1.75) 13(1.15,-1.25) 14(1.15,-0.75) 15(1.15,-0.25) 16(1.15,0.25) 17(1.15,0.75) 18(1.15,1.25) 19(1.15,1.75)
  rect 1x3 smd: 21(0,0)
TP-D1R0
  round 1 smd: 1(0,0)
TP-D2R0
  round 1 smd: 1(0,0)
TPD6S300_WQFN
  oval 0.8x0.2 hole 0.8x0.2 unplated: (-1.5,0.8) (-1.5,0.4) (-1.5,0) (-1.5,-0.4) (-1.5,-0.8) (1.5,0.8) (1.5,0.4) (1.5,0) (1.5,-0.4) (1.5,-0.8)
  oval 0.2x0.8 hole 0.2x0.8 unplated: (-0.8,1.5) (-0.4,1.5) (-0.4,-1.5) (0,1.5) (0,-1.5) (0.4,1.5) (0.4,-1.5) (0.8,1.5) (0.8,-1.5)
  rect 0.2x0.8 smd: 1(-0.8,-1.5)
  rect 1.8x1.8 smd: 21(0,0)
TPS65988DJ_QFN56
  rect 0.2x0.6 smd: (-3.1,2.4) (-3.1,1.6) (-3.1,-1.6) (-3.1,-2.4)
  rect 0.7x0.2 smd: 1(-3.35,2.6) 2(-3.35,2.2) 3(-3.35,1.8) 4(-3.35,1.4) 5(-3.35,1) 6(-3.35,0.6) 7(-3.35,0.2) 8(-3.35,-0.2) 9(-3.35,-0.6) 10(-3.35,-1) 11(-3.35,-1.4) 12(-3.35,-1.8) 13(-3.35,-2.2) 14(-3.35,-2.6) 29(3.35,-2.6) 30(3.35,-2.2) 31(3.35,-1.8) 32(3.35,-1.4) 33(3.35,-1) 34(3.35,-0.6) 35(3.35,-0.2) 36(3.35,0.2) 37(3.35,0.6) 38(3.35,1) 39(3.35,1.4) 40(3.35,1.8) 41(3.35,2.2) 42(3.35,2.6)
  rect 0.2x0.7 smd: 15(-2.6,-3.35) 16(-2.2,-3.35) 17(-1.8,-3.35) 18(-1.4,-3.35) 19(-1,-3.35) 20(-0.6,-3.35) 21(-0.2,-3.35) 22(0.2,-3.35) 23(0.6,-3.35) 24(1,-3.35) 25(1.4,-3.35) 26(1.8,-3.35) 27(2.2,-3.35) 28(2.6,-3.35) 43(2.6,3.35) 44(2.2,3.35) 45(1.8,3.35) 46(1.4,3.35) 47(1,3.35) 48(0.6,3.35) 49(0.2,3.35) 50(-0.2,3.35) 51(-0.6,3.35) 52(-1,3.35) 53(-1.4,3.35) 54(-1.8,3.35) 55(-2.2,3.35) 56(-2.6,3.35)
  rect 1.75x2.6 smd: 57(-1.875,1.45)
  rect 1.75x2.55 smd: 58(-1.875,-1.475)
  rect 3.4x5.5 smd: 59(1.05,0)
TS3USB30E_UQFN
  rect 0.7x0.2 smd: 1(-0.55,0.2)
  rect 0.6x0.2 smd: 2(-0.6,-0.2) 6(0.6,-0.2) 7(0.6,0.2)
  rect 0.2x0.6 smd: 3(-0.4,-0.8) 4(0,-0.8) 5(0.4,-0.8) 8(0.4,0.8) 9(0,0.8) 10(-0.4,0.8)
TSOT-23-6
  rect 0.6x1.4 smd: 1(-0.95,-1.3) 2(0,-1.3) 3(0.95,-1.3) 4(0.95,1.3) 5(0,1.3) 6(-0.95,1.3)
TUSB564_WQFN40
  rect 0.6x0.2 smd: 1(-2.9,1.4) 2(-2.9,1) 3(-2.9,0.6) 4(-2.9,0.2) 5(-2.9,-0.2) 6(-2.9,-0.6) 7(-2.9,-1) 8(-2.9,-1.4) 21(2.9,-1.4) 22(2.9,-1) 23(2.9,-0.6) 24(2.9,-0.2) 25(2.9,0.2) 26(2.9,0.6) 27(2.9,1) 28(2.9,1.4)
  rect 0.2x0.6 smd: 9(-2.2,-1.9) 10(-1.8,-1.9) 11(-1.4,-1.9) 12(-1,-1.9) 13(-0.6,-1.9) 14(-0.2,-1.9) 15(0.2,-1.9) 16(0.6,-1.9) 17(1,-1.9) 18(1.4,-1.9) 19(1.8,-1.9) 20(2.2,-1.9) 29(2.2,1.9) 30(1.8,1.9) 31(1.4,1.9) 32(1,1.9) 33(0.6,1.9) 34(0.2,1.9) 35(-0.2,1.9) 36(-0.6,1.9) 37(-1,1.9) 38(-1.4,1.9) 39(-1.8,1.9) 40(-2.2,1.9)
  rect 4.7x2.7 smd: 41(0,0)
TYPE-C-31-M-04
  round 0.65 hole 0.65 unplated: (-3.635,3.2) (3.715,3.2)
  rect 0.55x0.35 smd: (-3.405,4.75) (-1.285,4.75) (1.215,4.75) (3.345,4.75)
  oval 1x1.6 hole 0.5x1.1: 1(-4.155,1.96) 2(4.085,1.96) 3(-4.525,-2.45) 4(4.445,-2.45)
  rect 0.3x0.9 smd: A1(-2.785,3.76) A2(-2.285,3.76) A3(-1.785,3.76) A4(-1.285,3.76) A5(-0.785,3.76) A6(-0.285,3.76) A7(0.215,3.76) A8(0.715,3.76) A9(1.215,3.76) A10(1.715,3.76) A11(2.215,3.76) A12(2.715,3.76)
  round 0.65 hole 0.4: B1(2.765,2.55) B2(2.365,1.85) B3(1.565,1.85) B4(1.165,2.55) B5(0.765,1.85) B6(0.365,2.55) B7(-0.435,2.55) B8(-0.835,1.85) B9(-1.235,2.55) B10(-1.635,1.85) B11(-2.435,1.85) B12(-2.835,2.55)
WLCSP-0R90R9-4B
  round 0.23 smd: A1(-0.25,0.25) A2(0.25,0.25) B1(-0.25,-0.25) B2(0.25,-0.25)
WM8998_WCSP_117BALL
  round 0.2 smd: A1(-2.4,1.6) A2(-2,1.6) A3(-1.6,1.6) A4(-1.2,1.6) A5(-0.8,1.6) A6(-0.4,1.6) A7(0,1.6) A8(0.4,1.6) A9(0.8,1.6) A10(1.2,1.6) A11(1.6,1.6) A12(2,1.6) A13(2.4,1.6) B1(-2.4,1.2) B2(-2,1.2) B3(-1.6,1.2) B4(-1.2,1.2) B5(-0.8,1.2) B6(-0.4,1.2) B7(0,1.2) B8(0.4,1.2) B9(0.8,1.2) B10(1.2,1.2) B11(1.6,1.2) B12(2,1.2) B13(2.4,1.2) C1(-2.4,0.8) C2(-2,0.8) C3(-1.6,0.8) C4(-1.2,0.8) C5(-0.8,0.8) C6(-0.4,0.8) C7(0,0.8) C8(0.4,0.8) C9(0.8,0.8) C10(1.2,0.8) C11(1.6,0.8) C12(2,0.8) C13(2.4,0.8) D1(-2.4,0.4) D2(-2,0.4) D3(-1.6,0.4) D4(-1.2,0.4) D5(-0.8,0.4) D6(-0.4,0.4) D7(0,0.4) D8(0.4,0.4) D9(0.8,0.4) D10(1.2,0.4) D11(1.6,0.4) D12(2,0.4) D13(2.4,0.4) E1(-2.4,0) E2(-2,0) E3(-1.6,0) E4(-1.2,0) E5(-0.8,0) E6(-0.4,0) E7(0,0) E8(0.4,0) E9(0.8,0) E10(1.2,0) E11(1.6,0) E12(2,0) E13(2.4,0) F1(-2.4,-0.4) F2(-2,-0.4) F3(-1.6,-0.4) F4(-1.2,-0.4) F5(-0.8,-0.4) F6(-0.4,-0.4) F7(0,-0.4) F8(0.4,-0.4) F9(0.8,-0.4) F10(1.2,-0.4) F11(1.6,-0.4) F12(2,-0.4) F13(2.4,-0.4) G1(-2.4,-0.8) G2(-2,-0.8) G3(-1.6,-0.8) G4(-1.2,-0.8) G5(-0.8,-0.8) G6(-0.4,-0.8) G7(0,-0.8) G8(0.4,-0.8) G9(0.8,-0.8) G10(1.2,-0.8) G11(1.6,-0.8) G12(2,-0.8) G13(2.4,-0.8) H1(-2.4,-1.2) H2(-2,-1.2) H3(-1.6,-1.2) H4(-1.2,-1.2) H5(-0.8,-1.2) H6(-0.4,-1.2) H7(0,-1.2) H8(0.4,-1.2) H9(0.8,-1.2) H10(1.2,-1.2) H11(1.6,-1.2) H12(2,-1.2) H13(2.4,-1.2) J1(-2.4,-1.6) J2(-2,-1.6) J3(-1.6,-1.6) J4(-1.2,-1.6) J5(-0.8,-1.6) J6(-0.4,-1.6) J7(0,-1.6) J8(0.4,-1.6) J9(0.8,-1.6) J10(1.2,-1.6) J11(1.6,-1.6) J12(2,-1.6) J13(2.4,-1.6)
WSON_8_3X2
  rect 0.25x0.75 smd: 1(-0.75,-1.325) 2(-0.25,-1.325) 3(0.25,-1.325) 4(0.75,-1.325) 5(0.75,1.325) 6(0.25,1.325) 7(-0.25,1.325) 8(-0.75,1.325)
  rect 1.6x0.2 smd: 9(0,0)

## Nets
